# Altium PCB miniBackplane.PcbDoc (part 3 of 24) (continued)
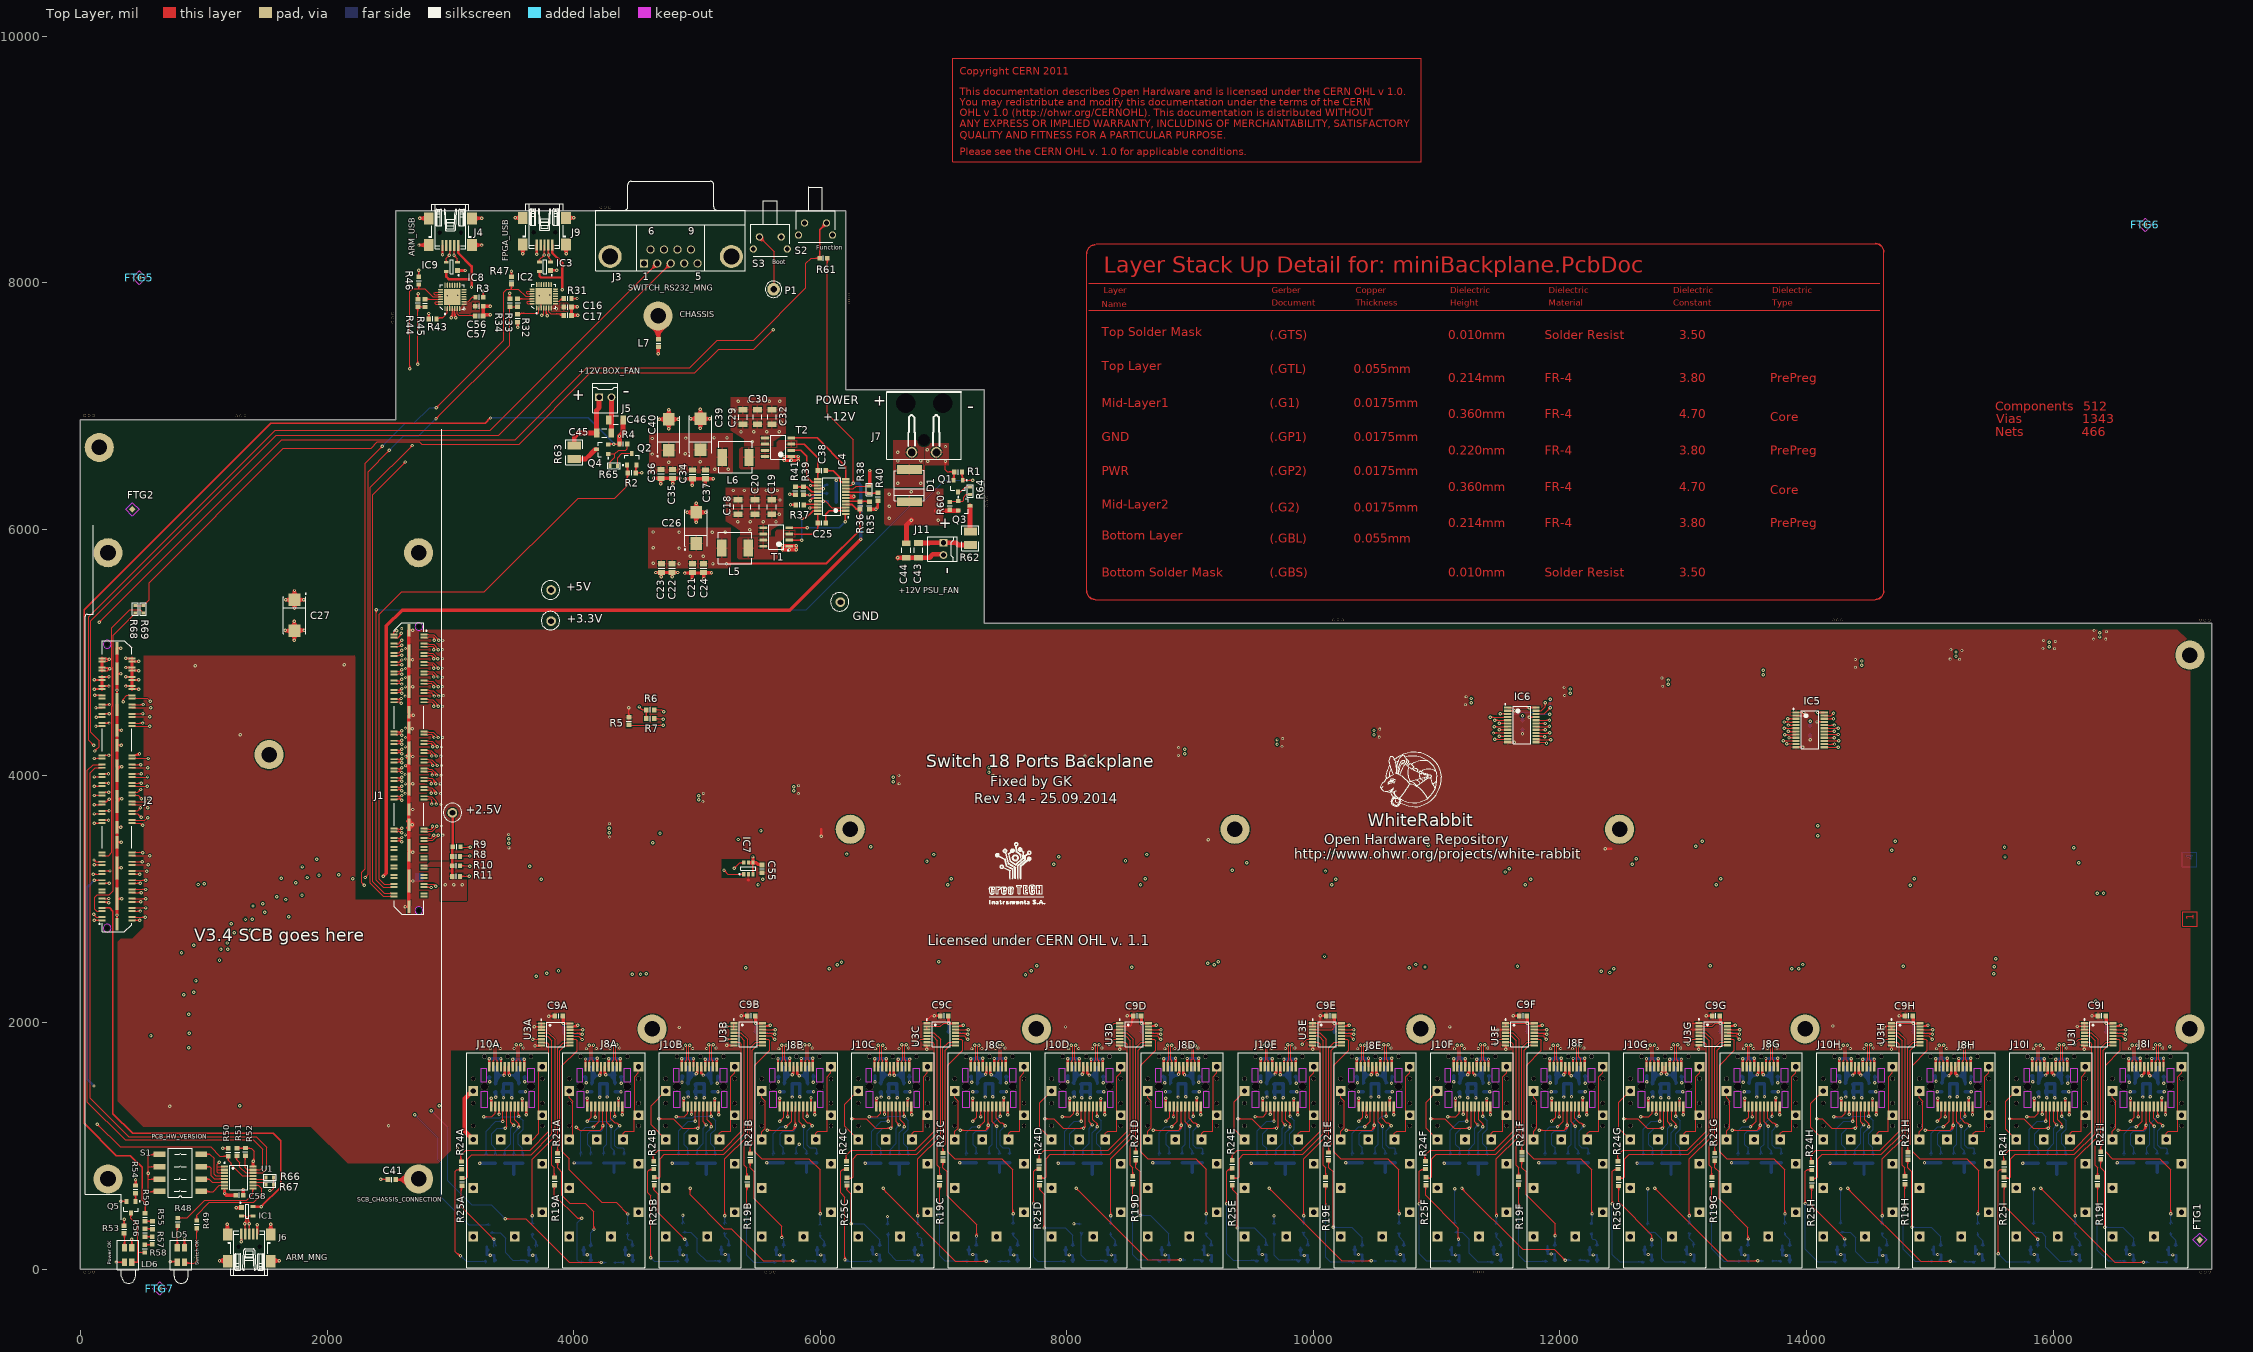
[diagram p0: Top Layer view]
## Nets (pads, with @x,y where several pads share a name; then routed paths per layer and width w, separated by ;. In a path a pad name is that pad's centre, name@x,y a point inside that pad or via, vN(x,y) a via of type N, cw(c..) or ccw(c..) an arc to the next point about the centre after c; other vN are vias at no path point) (continued)
  Bottom Layer w27.56: v1@3239.67,857.87 R29A.2@3290.35,857.87 R30A.2@3365.35,857.87 ; v1(3431.17,1388.46) C12A.1@3431.17,1436.96 ; v1(3498.17,1388.46) C14A.1@3498.17,1436.96 ; v1(4006.17,860.46) R15A.2@4059.67,860.46 R16A.2@4139.67,860.46 ; v1(4211.17,1393.46) C5A.1@4211.17,1436.96 L1A.2@4211.17,1501.96 L2A.2@4273.17,1501.96 C7A.1@4273.17,1436.96 v1(4273.17,1395.46) ; v1@4801.13,859.53 R29B.2@4851.81,859.53 R30B.2@4926.81,859.53 ; v1(4992.62,1390.11) C12B.1@4992.62,1438.61 ; v1(5059.63,1390.11) C14B.1@5059.63,1438.61 ; v1(5567.62,862.12) R15B.2@5621.13,862.12 R16B.2@5701.13,862.12 ; v1(5772.62,1395.11) C5B.1@5772.62,1438.61 L1B.2@5772.62,1503.61 L2B.2@5834.63,1503.61 C7B.1@5834.63,1438.61 v1(5834.63,1397.12) ; v1@6366.13,859.54 R29C.2@6416.81,859.54 R30C.2@6491.81,859.54 ; v1(6557.62,1390.12) C12C.1@6557.62,1438.62 ; v1(6624.63,1390.12) C14C.1@6624.63,1438.62 ; v1(7132.62,862.13) R15C.2@7186.13,862.13 R16C.2@7266.13,862.13 ; v1(7337.62,1395.12) C5C.1@7337.62,1438.62 L1C.2@7337.62,1503.62 L2C.2@7399.63,1503.62 C7C.1@7399.63,1438.62 v1(7399.63,1397.13) ; v1@7931.13,859.54 R29D.2@7981.81,859.54 R30D.2@8056.81,859.54 ; v1(8122.62,1390.12) C12D.1@8122.62,1438.62 ; v1(8189.63,1390.12) C14D.1@8189.63,1438.62 ; v1(8697.62,862.13) R15D.2@8751.13,862.13 R16D.2@8831.13,862.13 ; v1(8902.62,1395.12) C5D.1@8902.62,1438.62 L1D.2@8902.62,1503.62 L2D.2@8964.63,1503.62 C7D.1@8964.63,1438.62 v1(8964.63,1397.13) ; v1@9496.13,859.54 R29E.2@9546.81,859.54 R30E.2@9621.81,859.54 ; v1(9687.62,1390.12) C12E.1@9687.62,1438.62 ; v1(9754.63,1390.12) C14E.1@9754.63,1438.62 ; v1(10262.62,862.13) R15E.2@10316.13,862.13 R16E.2@10396.13,862.13 ; v1(10467.62,1395.12) C5E.1@10467.62,1438.62 L1E.2@10467.62,1503.62 L2E.2@10529.63,1503.62 C7E.1@10529.63,1438.62 v1(10529.63,1397.13) ; v1@11060.69,859.54 R29F.2@11111.38,859.54 R30F.2@11186.38,859.54 ; v1(11252.19,1390.12) C12F.1@11252.19,1438.62 ; v1(11319.2,1390.12) C14F.1@11319.2,1438.62 ; v1(11827.19,862.13) R15F.2@11880.69,862.13 R16F.2@11960.69,862.13 ; v1(12032.19,1395.12) C5F.1@12032.19,1438.62 L1F.2@12032.19,1503.62 L2F.2@12094.2,1503.62 C7F.1@12094.2,1438.62 v1(12094.2,1397.13) ; v1@12625.69,859.54 R29G.2@12676.38,859.54 R30G.2@12751.38,859.54 ; v1(12817.19,1390.12) C12G.1@12817.19,1438.62 ; v1(12884.2,1390.12) C14G.1@12884.2,1438.62 ; v1(13392.19,862.13) R15G.2@13445.69,862.13 R16G.2@13525.69,862.13 ; v1(13597.19,1395.12) C5G.1@13597.19,1438.62 L1G.2@13597.19,1503.62 L2G.2@13659.2,1503.62 C7G.1@13659.2,1438.62 v1(13659.2,1397.13) ; v1@14190.69,859.54 R29H.2@14241.38,859.54 R30H.2@14316.38,859.54 ; v1(14382.19,1390.12) C12H.1@14382.19,1438.62 ; v1(14449.2,1390.12) C14H.1@14449.2,1438.62 ; v1(14957.19,862.13) R15H.2@15010.69,862.13 R16H.2@15090.69,862.13 ; v1(15162.19,1395.12) C5H.1@15162.19,1438.62 L1H.2@15162.19,1503.62 L2H.2@15224.2,1503.62 C7H.1@15224.2,1438.62 v1(15224.2,1397.13) ; v1@15755.69,859.54 R29I.2@15806.38,859.54 R30I.2@15881.38,859.54 ; v1(15947.19,1390.12) C12I.1@15947.19,1438.62 ; v1(16014.2,1390.12) C14I.1@16014.2,1438.62 ; v1(16522.19,862.13) R15I.2@16575.69,862.13 R16I.2@16655.69,862.13 ; v1(16727.19,1395.12) C5I.1@16727.19,1438.62 L1I.2@16727.19,1503.62 L2I.2@16789.2,1503.62 C7I.1@16789.2,1438.62 v1(16789.2,1397.13) ; C12A.1@3431.17,1436.96 C14A.1@3493.17,1436.96 C14A.1@3498.17,1436.96 ; C12A.1@3431.17,1436.96 3431.17,1501.96 3498.17,1501.96 C14A.1@3498.17,1436.96 ; C12B.1@4992.62,1438.61 C14B.1@5054.63,1438.61 C14B.1@5059.63,1438.61 ; C12B.1@4992.62,1438.61 4992.62,1503.61 L4B.2@5054.63,1503.61 5059.63,1503.61 C14B.1@5059.63,1438.61 ; C12C.1@6557.62,1438.62 C14C.1@6619.63,1438.62 6619.63,1503.62 6557.62,1503.62 C12C.1@6557.62,1438.62 ; C12D.1@8122.62,1438.62 C14D.1@8184.63,1438.62 C14D.1@8189.63,1438.62 ; C12D.1@8122.62,1438.62 8122.62,1503.62 L4D.2@8184.63,1503.62 8189.63,1503.62 C14D.1@8189.63,1438.62 ; C12E.1@9687.62,1438.62 C14E.1@9749.63,1438.62 C14E.1@9754.63,1438.62 ; C12E.1@9687.62,1438.62 9687.62,1503.62 L4E.2@9749.63,1503.62 9754.63,1503.62 C14E.1@9754.63,1438.62 ; C12F.1@11252.19,1438.62 C14F.1@11314.2,1438.62 C14F.1@11319.2,1438.62 ; C12F.1@11252.19,1438.62 11252.19,1503.62 L4F.2@11314.2,1503.62 11319.2,1503.62 C14F.1@11319.2,1438.62 ; C12G.1@12817.19,1438.62 C14G.1@12879.2,1438.62 C14G.1@12884.2,1438.62 ; C12G.1@12817.19,1438.62 12817.19,1503.62 L4G.2@12879.2,1503.62 12884.2,1503.62 C14G.1@12884.2,1438.62 ; C12H.1@14382.19,1438.62 C14H.1@14444.2,1438.62 C14H.1@14449.2,1438.62 ; C12H.1@14382.19,1438.62 14382.19,1503.62 L4H.2@14444.2,1503.62 14449.2,1503.62 C14H.1@14449.2,1438.62 ; C12I.1@15947.19,1438.62 C14I.1@16009.2,1438.62 C14I.1@16014.2,1438.62 ; C12I.1@15947.19,1438.62 15947.19,1503.62 L4I.2@16009.2,1503.62 16014.2,1503.62 C14I.1@16014.2,1438.62 ; C12A.1@3422.69,1432.5 cw(c3402.21,1412.02) 3431.17,1412.02 ccw(c3402.21,1412.02) C12A.1@3422.69,1432.5 ; C12A.1@3422.69,1441.42 ccw(c3402.21,1461.9) 3431.17,1461.9 cw(c3402.21,1461.9) C12A.1@3422.69,1441.42 ; C14A.1@3489.69,1432.5 cw(c3469.22,1412.02) 3498.17,1412.02 ccw(c3469.22,1412.02) C14A.1@3489.69,1432.5 ; C14A.1@3489.69,1441.42 ccw(c3469.22,1461.9) 3498.17,1461.9 cw(c3469.22,1461.9) C14A.1@3489.69,1441.42 ; C12B.1@4984.14,1434.15 cw(c4963.67,1413.68) 4992.62,1413.68 ccw(c4963.67,1413.68) C12B.1@4984.14,1434.15 ; C12B.1@4984.14,1443.08 ccw(c4963.67,1463.55) 4992.62,1463.55 cw(c4963.67,1463.55) C12B.1@4984.14,1443.08 ; L3B.2@4984.84,1498.86 cw(c4966.05,1480.07) 4992.62,1480.07 ccw(c4966.05,1480.07) L3B.2@4984.84,1498.86 ; C14B.1@5051.15,1434.15 cw(c5030.68,1413.68) 5059.63,1413.68 ccw(c5030.68,1413.68) C14B.1@5051.15,1434.15 ; C14B.1@5051.15,1443.08 ccw(c5030.68,1463.55) 5059.63,1463.55 cw(c5030.68,1463.55) C14B.1@5051.15,1443.08 ; L4B.2@5051.85,1498.86 cw(c5033.05,1480.07) 5059.63,1480.07 ccw(c5033.05,1480.07) L4B.2@5051.85,1498.86 ; C12C.1@6549.14,1434.16 cw(c6528.67,1413.69) 6557.62,1413.69 ccw(c6528.67,1413.69) C12C.1@6549.14,1434.16 ; C12C.1@6549.14,1443.09 ccw(c6528.67,1463.56) 6557.62,1463.56 cw(c6528.67,1463.56) C12C.1@6549.14,1443.09 ; L3C.2@6549.84,1498.87 cw(c6531.05,1480.08) 6557.62,1480.08 ccw(c6531.05,1480.08) L3C.2@6549.84,1498.87 ; L4C.2@6613.36,1500.17 cw(c6598.22,1485.03) 6619.63,1485.03 ccw(c6598.22,1485.03) L4C.2@6613.36,1500.17 ; C14C.1@6616.15,1434.16 cw(c6595.68,1413.69) 6624.63,1413.69 ccw(c6595.68,1413.69) C14C.1@6616.15,1434.16 ; C12D.1@8114.14,1434.16 cw(c8093.67,1413.69) 8122.62,1413.69 ccw(c8093.67,1413.69) C12D.1@8114.14,1434.16 ; C12D.1@8114.14,1443.09 ccw(c8093.67,1463.56) 8122.62,1463.56 cw(c8093.67,1463.56) C12D.1@8114.14,1443.09 ; L3D.2@8114.84,1498.87 cw(c8096.05,1480.08) 8122.62,1480.08 ccw(c8096.05,1480.08) L3D.2@8114.84,1498.87 ; C14D.1@8181.15,1434.16 cw(c8160.68,1413.69) 8189.63,1413.69 ccw(c8160.68,1413.69) C14D.1@8181.15,1434.16 ; C14D.1@8181.15,1443.09 ccw(c8160.68,1463.56) 8189.63,1463.56 cw(c8160.68,1463.56) C14D.1@8181.15,1443.09 ; L4D.2@8181.85,1498.87 cw(c8163.05,1480.08) 8189.63,1480.08 ccw(c8163.05,1480.08) L4D.2@8181.85,1498.87 ; C12E.1@9679.14,1434.16 cw(c9658.67,1413.69) 9687.62,1413.69 ccw(c9658.67,1413.69) C12E.1@9679.14,1434.16 ; C12E.1@9679.14,1443.09 ccw(c9658.67,1463.56) 9687.62,1463.56 cw(c9658.67,1463.56) C12E.1@9679.14,1443.09 ; L3E.2@9679.84,1498.87 cw(c9661.05,1480.08) 9687.62,1480.08 ccw(c9661.05,1480.08) L3E.2@9679.84,1498.87 ; C14E.1@9746.15,1434.16 cw(c9725.68,1413.69) 9754.63,1413.69 ccw(c9725.68,1413.69) C14E.1@9746.15,1434.16 ; C14E.1@9746.15,1443.09 ccw(c9725.68,1463.56) 9754.63,1463.56 cw(c9725.68,1463.56) C14E.1@9746.15,1443.09 ; L4E.2@9746.85,1498.87 cw(c9728.05,1480.08) 9754.63,1480.08 ccw(c9728.05,1480.08) L4E.2@9746.85,1498.87 ; C12F.1@11243.71,1434.16 cw(c11223.24,1413.69) 11252.19,1413.69 ccw(c11223.24,1413.69) C12F.1@11243.71,1434.16 ; C12F.1@11243.71,1443.09 ccw(c11223.24,1463.56) 11252.19,1463.56 cw(c11223.24,1463.56) C12F.1@11243.71,1443.09 ; L3F.2@11244.41,1498.87 cw(c11225.61,1480.08) 11252.19,1480.08 ccw(c11225.61,1480.08) L3F.2@11244.41,1498.87 ; C14F.1@11310.72,1434.16 cw(c11290.24,1413.69) 11319.2,1413.69 ccw(c11290.24,1413.69) C14F.1@11310.72,1434.16 ; C14F.1@11310.72,1443.09 ccw(c11290.24,1463.56) 11319.2,1463.56 cw(c11290.24,1463.56) C14F.1@11310.72,1443.09 ; L4F.2@11311.41,1498.87 cw(c11292.62,1480.08) 11319.2,1480.08 ccw(c11292.62,1480.08) L4F.2@11311.41,1498.87 ; C12G.1@12808.71,1434.16 cw(c12788.24,1413.69) 12817.19,1413.69 ccw(c12788.24,1413.69) C12G.1@12808.71,1434.16 ; C12G.1@12808.71,1443.09 ccw(c12788.24,1463.56) 12817.19,1463.56 cw(c12788.24,1463.56) C12G.1@12808.71,1443.09 ; L3G.2@12809.41,1498.87 cw(c12790.61,1480.08) 12817.19,1480.08 ccw(c12790.61,1480.08) L3G.2@12809.41,1498.87 ; C14G.1@12875.72,1434.16 cw(c12855.24,1413.69) 12884.2,1413.69 ccw(c12855.24,1413.69) C14G.1@12875.72,1434.16 ; C14G.1@12875.72,1443.09 ccw(c12855.24,1463.56) 12884.2,1463.56 cw(c12855.24,1463.56) C14G.1@12875.72,1443.09 ; L4G.2@12876.41,1498.87 cw(c12857.62,1480.08) 12884.2,1480.08 ccw(c12857.62,1480.08) L4G.2@12876.41,1498.87 ; C12H.1@14373.71,1434.16 cw(c14353.24,1413.69) 14382.19,1413.69 ccw(c14353.24,1413.69) C12H.1@14373.71,1434.16 ; C12H.1@14373.71,1443.09 ccw(c14353.24,1463.56) 14382.19,1463.56 cw(c14353.24,1463.56) C12H.1@14373.71,1443.09 ; L3H.2@14374.41,1498.87 cw(c14355.61,1480.08) 14382.19,1480.08 ccw(c14355.61,1480.08) L3H.2@14374.41,1498.87 ; C14H.1@14440.72,1434.16 cw(c14420.24,1413.69) 14449.2,1413.69 ccw(c14420.24,1413.69) C14H.1@14440.72,1434.16 ; C14H.1@14440.72,1443.09 ccw(c14420.24,1463.56) 14449.2,1463.56 cw(c14420.24,1463.56) C14H.1@14440.72,1443.09 ; L4H.2@14441.41,1498.87 cw(c14422.62,1480.08) 14449.2,1480.08 ccw(c14422.62,1480.08) L4H.2@14441.41,1498.87 ; C12I.1@15938.71,1434.16 cw(c15918.24,1413.69) 15947.19,1413.69 ccw(c15918.24,1413.69) C12I.1@15938.71,1434.16 ; C12I.1@15938.71,1443.09 ccw(c15918.24,1463.56) 15947.19,1463.56 cw(c15918.24,1463.56) C12I.1@15938.71,1443.09 ; L3I.2@15939.41,1498.87 cw(c15920.61,1480.08) 15947.19,1480.08 ccw(c15920.61,1480.08) L3I.2@15939.41,1498.87 ; C14I.1@16005.72,1434.16 cw(c15985.24,1413.69) 16014.2,1413.69 ccw(c15985.24,1413.69) C14I.1@16005.72,1434.16 ; C14I.1@16005.72,1443.09 ccw(c15985.24,1463.56) 16014.2,1463.56 cw(c15985.24,1463.56) C14I.1@16005.72,1443.09 ; L4I.2@16006.41,1498.87 cw(c15987.62,1480.08) 16014.2,1480.08 ccw(c15987.62,1480.08) L4I.2@16006.41,1498.87
  other v1: 3239.67,856.96 4801.13,858.61 6366.13,858.62 7931.13,858.62 9496.13,858.62 11060.69,858.62 12625.69,858.62 14190.69,858.62 15755.69,858.62 1403,874 4637.52,6484.54 4869.2,6487.87 5144.2,6487.87 5254.2,6487.87 4771.38,6543.59 5027.28,6547.53 4637.52,6610.52 4905.24,6614.46 4637.52,6736.5 4909.17,6740.44 5139.2,6742.87 5244.2,6742.87
+5V: C21.1 C22.1 C23.1 C24.1 C26.1 C27.1 IC4.4 J2.81 J2.82 J2.83 J2.84 J2.85 J2.86 J2.87 J2.88 J2.90 J2.92 J2.94 J2.96 L5.2 pad.@3818,5507.7 R36.2 | length 4346.1
  Top Layer w7.87: v1@110.24,4700.79 v1(113.24,4703.79) ; v1@110.24,4775.59 v1(113.44,4778.79)
  Top Layer w15.75: v1(113.24,4703.79) J2.81@174.94,4703.79 ; v1(113.44,4778.79) J2.85@174.94,4778.79 ; J2.83@174.94,4728.79 v1(231.84,4728.79) ; J2.87@174.94,4803.79 v1(231.64,4803.79) ; v1(366.59,4728.79) J2.84@417.94,4728.79 ; v1(366.78,4803.79) J2.88@417.94,4803.79 ; v1(366.98,4878.79) J2.92@417.94,4878.79 ; v1(367.18,4953.79) J2.96@417.94,4953.79 ; J2.82@417.94,4703.79 v1(471.51,4703.79) ; J2.86@417.94,4778.79 v1(471.7,4778.79) ; J2.90@417.94,4853.79 v1(471.9,4853.79) ; J2.94@417.94,4928.79 v1(472.1,4928.79) ; v1(5240.34,5721.1) 6047.32,5721.1 6324.2,5997.98 R36.2@6324.2,6161.38 6319.94,6165.64 6291.06,6165.64 ; IC4.4@6208,6201.96 6254.74,6201.96 6291.06,6165.64 ; 127.5,4703.79 ccw(c127.5,4689.53) 117.42,4699.62 cw(c127.5,4689.53) 127.5,4703.79 ; 127.5,4703.79 cw(c127.5,4718.05) 117.42,4707.97 ccw(c127.5,4718.05) 127.5,4703.79 ; 127.69,4778.79 ccw(c127.69,4764.53) 117.61,4774.62 cw(c127.69,4764.53) 127.69,4778.79 ; 127.69,4778.79 cw(c127.69,4793.05) 117.61,4782.97 ccw(c127.69,4793.05) 127.69,4778.79 ; 217.38,4803.79 ccw(c217.38,4818.05) 227.47,4807.97 cw(c217.38,4818.05) 217.38,4803.79 ; 217.38,4803.79 cw(c217.38,4789.53) 227.47,4799.62 ccw(c217.38,4789.53) 217.38,4803.79 ; 217.58,4728.79 ccw(c217.58,4743.05) 227.66,4732.97 cw(c217.58,4743.05) 217.58,4728.79 ; 217.58,4728.79 cw(c217.58,4714.53) 227.66,4724.62 ccw(c217.58,4714.53) 217.58,4728.79 ; 380.84,4728.79 ccw(c380.84,4714.53) 370.76,4724.62 cw(c380.84,4714.53) 380.84,4728.79 ; 380.84,4728.79 cw(c380.84,4743.05) 370.76,4732.97 ccw(c380.84,4743.05) 380.84,4728.79 ; 381.04,4803.79 ccw(c381.04,4789.53) 370.96,4799.62 cw(c381.04,4789.53) 381.04,4803.79 ; 381.04,4803.79 cw(c381.04,4818.05) 370.96,4807.97 ccw(c381.04,4818.05) 381.04,4803.79 ; 381.24,4878.79 ccw(c381.24,4864.53) 371.16,4874.62 cw(c381.24,4864.53) 381.24,4878.79 ; 381.24,4878.79 cw(c381.24,4893.05) 371.16,4882.97 ccw(c381.24,4893.05) 381.24,4878.79 ; 381.43,4953.79 ccw(c381.43,4939.53) 371.35,4949.62 cw(c381.43,4939.53) 381.43,4953.79 ; 381.43,4953.79 cw(c381.43,4968.05) 371.35,4957.97 ccw(c381.43,4968.05) 381.43,4953.79 ; 457.25,4703.79 ccw(c457.25,4718.05) 467.33,4707.97 cw(c457.25,4718.05) 457.25,4703.79 ; 457.25,4703.79 cw(c457.25,4689.53) 467.33,4699.62 ccw(c457.25,4689.53) 457.25,4703.79 ; 457.45,4778.79 ccw(c457.45,4793.05) 467.53,4782.97 cw(c457.45,4793.05) 457.45,4778.79 ; 457.45,4778.79 cw(c457.45,4764.53) 467.53,4774.62 ccw(c457.45,4764.53) 457.45,4778.79 ; 457.64,4853.79 ccw(c457.64,4868.05) 467.73,4857.97 cw(c457.64,4868.05) 457.64,4853.79 ; 457.64,4853.79 cw(c457.64,4839.53) 467.73,4849.62 ccw(c457.64,4839.53) 457.64,4853.79 ; 457.84,4928.79 ccw(c457.84,4943.05) 467.92,4932.97 cw(c457.84,4943.05) 457.84,4928.79 ; 457.84,4928.79 cw(c457.84,4914.53) 467.92,4924.62 ccw(c457.84,4914.53) 457.84,4928.79 ; 5254.6,5721.1 ccw(c5254.6,5706.85) 5244.51,5716.93 cw(c5254.6,5706.85) 5254.6,5721.1 ; 5254.6,5721.1 cw(c5254.6,5735.36) 5244.51,5725.28 ccw(c5254.6,5735.36) 5254.6,5721.1 ; 6291.06,6165.64 cw(c6291.06,6134) 6314.83,6154.88 ccw(c6291.06,6134) 6291.06,6165.64 ; 6324.2,6137.62 ccw(c6300.43,6137.62) 6317.24,6154.42 cw(c6300.43,6137.62) 6324.2,6137.62 ; 6324.2,6137.62 cw(c6347.96,6137.62) 6331.16,6154.42 ccw(c6347.96,6137.62) 6324.2,6137.62
  Top Layer w19.68: v1@1732.28,5507.87 v1(1736.22,5503.94) ; v1(1811.02,5429.13) v1@1814.96,5425.2
  Top Layer w27.56: J2.81@174.94,4703.79 J2.83@174.94,4728.79 J2.85@174.94,4778.79 J2.87@174.94,4803.79 ; J2.82@417.94,4703.79 J2.84@417.94,4728.79 J2.86@417.94,4778.79 J2.88@417.94,4803.79 J2.90@417.94,4853.79 J2.92@417.94,4878.79 J2.94@417.94,4928.79 J2.96@417.94,4953.79 ; v1(1665.35,5429.13) ccw(c1665.36,5487.42) 1710.37,5450.39 cw(c1665.36,5487.42) v1(1665.35,5429.13) ; v1(1665.35,5429.13) cw(c1665.36,5370.84) 1710.37,5407.87 ccw(c1665.36,5370.84) v1(1665.35,5429.13) ; v1(1665.35,5429.13) C27.1@1736.22,5429.13 ; v1(1736.22,5358.27) ccw(c1686.03,5358.27) 1716.14,5398.42 cw(c1686.03,5358.27) v1(1736.22,5358.27) ; v1(1736.22,5358.27) cw(c1786.41,5358.27) 1756.3,5398.42 ccw(c1786.41,5358.27) v1(1736.22,5358.27) ; v1(1736.22,5358.27) C27.1@1736.22,5429.13 ; C27.1@1736.22,5429.13 v1(1736.22,5503.94) ; C27.1@1736.22,5429.13 v1(1811.02,5429.13) ; v1(1736.22,5503.94) ccw(c1794.52,5503.94) 1757.48,5458.91 cw(c1794.52,5503.94) v1(1736.22,5503.94) ; v1(1736.22,5503.94) cw(c1677.92,5503.94) 1714.96,5458.91 ccw(c1677.92,5503.94) v1(1736.22,5503.94) ; v1(1811.02,5429.13) ccw(c1811.02,5362.27) 1761.17,5406.83 cw(c1811.02,5362.27) v1(1811.02,5429.13) ; v1(1811.02,5429.13) cw(c1811.02,5496) 1761.17,5451.44 ccw(c1811.02,5496) v1(1811.02,5429.13)
  other v1: 4855.34,5721.1 5130.34,5721.1 4645.39,5723.18 4945.34,5781.1 5050.34,5781.1 4855.34,5846.1 4645.39,5850.68 4855.34,5976.1 5125.34,5976.1 5230.34,5976.1 4645.39,5978.18
+12VCC_IN: C18.1 C19.1 C20.1 C28.2 C29.1 C30.1 C32.1 C44.1 C46.1 D1.1 IC4.3 IC4.20 Q3.3 Q4.3 R4.1 R54.1 R60.1 T1.5 T1.6 T2.5 T2.6 | length 11413.7
  Top Layer w7.87: v1(6024.2,6227.55) 6044.52,6227.55 ; IC4.3@6208,6176.37 6095.7,6176.37 6044.52,6227.55 ; 6044.52,6227.55 ccw(c6044.52,6211.49) 6031.92,6221.45 cw(c6044.52,6211.49) 6044.52,6227.55 ; 6044.52,6227.55 cw(c6044.52,6243.61) 6031.92,6233.65 ccw(c6044.52,6243.61) 6044.52,6227.55 ; 6175.45,6176.37 ccw(c6175.45,6188.25) 6183.85,6179.85 cw(c6175.45,6188.25) 6175.45,6176.37 ; 6175.45,6176.37 cw(c6175.45,6164.49) 6183.85,6172.89 ccw(c6175.45,6164.49) 6175.45,6176.37
  Top Layer w11.81: R54.1@524,451.5 524,540 500,564 500,826 405,921 292,921 29,1184 29,5348 1543,6862 3284,6862 3326,6904 v1(3326,6903)
  Top Layer w13.78: Q4.3@4281.26,6692 4325,6692 v1(4327,6690) R4.1@4378.5,6690
  Top Layer w15.75: IC4.20@5979.65,6227.55 v1(6024.2,6227.55) ; 6009.94,6227.55 ccw(c6009.94,6241.81) 6020.02,6231.73 cw(c6009.94,6241.81) 6009.94,6227.55 ; 6009.94,6227.55 cw(c6009.94,6213.29) 6020.02,6223.38 ccw(c6009.94,6213.29) 6009.94,6227.55
  Top Layer w39.37: R4.1@4372.5,6692 v1(4372.5,6755.5) 4402.06,6785.06 C46.1@4402.06,6886 ; C44.1@6699,5888.06 6699,6034.2 v1(6739.88,6075.09) ; 6941,6150.99 Q3.3@7120.17,6150.99
  Bottom Layer w11.81: v1(3326,6903) 4120.61,6903 v1@4327.2,6696.42
  Bottom Layer w19.68: v1(6024.2,6227.55) C28.2@6060.72,6227.55 ; v1@6026.17,6224.14 cw(c6034.52,6209.67) 6038.85,6225.81 ; v1@6026.17,6224.14 cw(c6034.52,6209.67) 6038.85,6225.81 ; v1@6026.17,6224.14 cw(c6034.52,6209.67) 6038.85,6225.81 ; v1@6032.35,6227.55 cw(c6032.35,6186.94) 6061.07,6215.66 ccw(c6032.35,6186.94) v1@6032.35,6227.55
  other v1: 5428.86,5996.35 5330.43,6062.87 5434.17,6062.87 5537.9,6062.87 5641.64,6062.87 6959.2,6074.69 6558.76,6089.69 5263.5,6122.33 5669.2,6122.33 6959.2,6184.69 6558.76,6187.19 6558.76,6284.69 6959.2,6294.69 6739.88,6303.43 5448.54,6708.94 5357.99,6792.87 5461.67,6792.87 5565.34,6792.87 5669.02,6792.87 5306.81,6866.43 5684.2,6867.87
ARM_2V5_GPIO_PD10: J2.41 J8A.6 R13A.1 | length 8582.8
  Top Layer w7.87: v1@103.79,3766.29 J2.41@174.94,3766.29 ; J8A.6@4269.68,1318.39 4269.68,1191.94 v1(4304.67,1156.96) ; 4289.19,1170.95 cw(c4284.33,1152.79) v1@4302.74,1156.57 ; 4290.68,1172.44 ccw(c4308.83,1177.3) v1@4305.06,1158.89 ; 134.44,3766.29 ccw(c134.44,3742.53) 117.64,3759.33 cw(c134.44,3742.53) 134.44,3766.29 ; 134.44,3766.29 cw(c134.44,3790.05) 117.64,3773.25 ccw(c134.44,3790.05) 134.44,3766.29 ; 144.77,3766.29 ccw(c144.77,3775.8) 151.49,3769.08 cw(c144.77,3775.8) 144.77,3766.29 ; 144.77,3766.29 cw(c144.77,3756.79) 151.49,3763.51 ccw(c144.77,3756.79) 144.77,3766.29 ; 4269.68,1274.6 ccw(c4255.43,1274.6) 4265.51,1284.68 cw(c4255.43,1274.6) 4269.68,1274.6 ; 4269.68,1274.6 cw(c4283.94,1274.6) 4273.86,1284.68 ccw(c4283.94,1274.6) 4269.68,1274.6 ; 4287.87,1173.76 ccw(c4304.67,1190.57) 4304.67,1166.8 cw(c4304.67,1190.57) 4287.87,1173.76 ; 4287.87,1173.76 cw(c4271.06,1156.96) 4294.83,1156.96 ccw(c4271.06,1156.96) 4287.87,1173.76
  Mid-Layer 1 w7.09: v1@104.33,3767.72 104.42,3767.8 575.2,3767.8 1093,3250 1093,2588.1 1757.87,1923.23 2800.2,1923.23 3325.79,2448.82 4451.77,2448.82 4476.76,2423.83 v1(4476.76,2392.05) ; 4476.76,2416.76 ccw(c4501.47,2416.76) 4483.99,2399.29 cw(c4501.47,2416.76) 4476.76,2416.76 ; 4476.76,2416.76 cw(c4452.04,2416.76) 4469.52,2399.29 ccw(c4452.04,2416.76) 4476.76,2416.76 ; v1@117.92,3759.05 cw(c139.04,3737.93) 139.04,3767.8 ccw(c139.04,3737.93) v1@117.92,3759.05 ; v1@117.92,3773.53 ccw(c131.74,3787.35) 131.74,3767.8 cw(c131.74,3787.35) v1@117.92,3773.53
  Mid-Layer 2 w7.09: v1@4301.12,1158.67 cw(c4320.13,1149.48) 4314.67,1169.88 ; v1(4304.67,1156.96) 4313.79,1156.96 4360.72,1203.9 4410.72,1203.9 4459.65,1252.82 4459.65,1413.43 4586.61,1540.39 ; v1@4307.5,1155.59 cw(c4338.54,1140.58) 4329.62,1173.88 ; v1@4309.79,1165.83 ccw(c4316.95,1178.23) 4320.66,1164.39 ; v1@4474.4,2389.69 4474.4,2110.94 4448.82,2085.35 4448.82,1819.31 4587.02,1681.1 4587.02,1540.39 ; v1@4304.67,1160.11 ccw(c4304.67,1189.73) 4325.61,1168.78 cw(c4304.67,1189.73) v1@4304.67,1160.11 ; v1@4304.67,1167.2 ccw(c4304.67,1213.92) 4337.71,1180.88 cw(c4304.67,1213.92) v1@4304.67,1167.2 ; v1@4469.52,2384.81 cw(c4457.73,2373.02) 4474.4,2373.02 ccw(c4457.73,2373.02) v1@4469.52,2384.81 ; 4474.4,2361.65 cw(c4507.15,2361.65) 4483.99,2384.81 ccw(c4507.15,2361.65) 4474.4,2361.65
  Bottom Layer w7.87: v1(4304.67,1156.96) 4304.67,981.96 4327.85,958.78 R13A.1@4327.85,923.46 ; 4304.67,1133.2 ccw(c4280.91,1133.2) 4297.71,1150 cw(c4280.91,1133.2) 4304.67,1133.2 ; 4304.67,1133.2 cw(c4328.43,1133.2) 4311.63,1150 ccw(c4328.43,1133.2) 4304.67,1133.2 ; 4327.85,956.72 ccw(c4361.12,956.72) 4337.6,933.2 cw(c4361.12,956.72) 4327.85,956.72 ; 4327.85,956.72 cw(c4294.59,956.72) 4318.11,933.2 ccw(c4294.59,956.72) 4327.85,956.72
  other v1: 110.68,3766.29
ARM_2V5_GPIO_PD11: J2.19 J10A.6 R27A.1 | length 6378.1
  Top Layer w7.87: v1(112,3153.79) J2.19@174.94,3153.79 ; J10A.6@3489.68,1318.39 3489.68,1191.94 v1(3514.67,1166.96) ; 3499.19,1180.95 cw(c3494.33,1162.79) v1@3512.74,1166.57 ; 3500.68,1182.44 ccw(c3518.83,1187.3) v1@3515.06,1168.89 ; 135.76,3153.79 ccw(c135.76,3130.03) 118.96,3146.83 cw(c135.76,3130.03) 135.76,3153.79 ; 135.76,3153.79 cw(c135.76,3177.55) 118.96,3160.75 ccw(c135.76,3177.55) 135.76,3153.79 ; 144.77,3153.79 ccw(c144.77,3163.3) 151.49,3156.58 cw(c144.77,3163.3) 144.77,3153.79 ; 144.77,3153.79 cw(c144.77,3144.29) 151.49,3151.01 ccw(c144.77,3144.29) 144.77,3153.79 ; 3489.68,1274.6 ccw(c3475.43,1274.6) 3485.51,1284.68 cw(c3475.43,1274.6) 3489.68,1274.6 ; 3489.68,1274.6 cw(c3503.94,1274.6) 3493.86,1284.68 ccw(c3503.94,1274.6) 3489.68,1274.6 ; 3497.87,1183.76 ccw(c3514.67,1200.57) 3514.67,1176.8 cw(c3514.67,1200.57) 3497.87,1183.76 ; 3497.87,1183.76 cw(c3481.06,1166.96) 3504.83,1166.96 ccw(c3481.06,1166.96) 3497.87,1183.76
  Mid-Layer 1 w7.09: v1(110,1484.88) 890,1484.88 1118.88,1256 2607,1256 2667,1196 3140,1196 3147,1203 3361,1203 3383,1225 3456.63,1225 v1(3514.67,1166.96) ; 134.71,1484.88 ccw(c134.71,1460.17) 117.24,1477.64 cw(c134.71,1460.17) 134.71,1484.88 ; 134.71,1484.88 cw(c134.71,1509.59) 117.24,1492.12 ccw(c134.71,1509.59) 134.71,1484.88 ; 3497.19,1184.43 ccw(c3514.67,1201.91) 3514.67,1177.2 cw(c3514.67,1201.91) 3497.19,1184.43 ; 3497.19,1184.43 cw(c3479.72,1166.96) 3504.43,1166.96 ccw(c3479.72,1166.96) 3497.19,1184.43
  Bottom Layer w7.87: R27A.1@3440.35,920.87 3440.35,967.65 3489.67,1016.96 3489.67,1141.96 v1(3514.67,1166.96) ; 3440.35,954.13 ccw(c3473.62,954.13) 3450.1,930.61 cw(c3473.62,954.13) 3440.35,954.13 ; 3440.35,954.13 cw(c3407.09,954.13) 3430.61,930.61 ccw(c3407.09,954.13) 3440.35,954.13 ; 3497.87,1150.16 ccw(c3481.06,1166.96) 3504.83,1166.96 cw(c3481.06,1166.96) 3497.87,1150.16 ; 3497.87,1150.16 cw(c3514.67,1133.36) 3514.67,1157.12 ccw(c3514.67,1133.36) 3497.87,1150.16
  Bottom Layer w19.68: v1(110,1484.88) 54,1540.88 54,3095.79 v1(112,3153.79)
ARM_2V5_GPIO_PD12: IC5.3 IC6.3 J2.75 R5.1 | length 15413.2
  Top Layer w7.87: J2.75@174.94,4578.79 v1(236.17,4578.79) ; R5.1@4448.82,4413.39 4452.76,4409.45 v1(4728.35,4409.45) ; v1(11515.46,4502.48) IC6.3@11577.4,4502.48 IC6.3@11582.68,4502.48 ; v1(13849.1,4463.8) 13849.1,4463.42 13849.41,4463.11 IC5.3@13914.92,4463.11 ; 205.12,4578.79 ccw(c205.12,4569.29) 198.39,4576.01 cw(c205.12,4569.29) 205.12,4578.79 ; 205.12,4578.79 cw(c205.12,4588.3) 198.39,4581.58 ccw(c205.12,4588.3) 205.12,4578.79 ; 212.41,4578.79 ccw(c212.41,4602.55) 229.21,4585.75 cw(c212.41,4602.55) 212.41,4578.79 ; 212.41,4578.79 cw(c212.41,4555.03) 229.21,4571.83 ccw(c212.41,4555.03) 212.41,4578.79 ; 4704.58,4409.45 ccw(c4704.58,4433.21) 4721.39,4416.41 cw(c4704.58,4433.21) 4704.58,4409.45 ; 4704.58,4409.45 cw(c4704.58,4385.69) 4721.39,4402.49 ccw(c4704.58,4385.69) 4704.58,4409.45 ; 11539.23,4502.48 ccw(c11539.23,4478.72) 11522.42,4495.52 cw(c11539.23,4478.72) 11539.23,4502.48 ; 11539.23,4502.48 cw(c11539.23,4526.24) 11522.42,4509.44 ccw(c11539.23,4526.24) 11539.23,4502.48 ; 11544.85,4502.48 ccw(c11544.85,4514.36) 11553.25,4505.96 cw(c11544.85,4514.36) 11544.85,4502.48 ; 11544.85,4502.48 cw(c11544.85,4490.6) 11553.25,4499 ccw(c11544.85,4490.6) 11544.85,4502.48 ; 13882.37,4463.11 ccw(c13882.37,4474.99) 13890.77,4466.59 cw(c13882.37,4474.99) 13882.37,4463.11 ; 13882.37,4463.11 cw(c13882.37,4451.23) 13890.77,4459.63 ccw(c13882.37,4451.23) 13882.37,4463.11 ; v1@13856.06,4456.84 cw(c13871.2,4441.71) 13871.2,4463.11 ccw(c13871.2,4441.71) v1@13856.06,4456.84 ; v1@13856.06,4470.76 ccw(c13874.53,4489.23) 13874.53,4463.11 cw(c13874.53,4489.23) v1@13856.06,4470.76
  Mid-Layer 1 w7.09: v1(4728.35,4409.45) 4754.92,4436.02 11265.75,4436.02 11332.2,4502.48 v1(11515.46,4502.48) ; v1(11917.32,4500) 13681.1,4500 13717.99,4463.11 13849.41,4463.11 13849.1,4463.42 v1(13849.1,4463.8) ; 4745.82,4426.92 ccw(c4763.3,4409.45) 4738.58,4409.45 cw(c4763.3,4409.45) 4745.82,4426.92 ; 4745.82,4426.92 cw(c4728.35,4444.4) 4728.35,4419.69 ccw(c4728.35,4444.4) 4745.82,4426.92 ; 11490.75,4502.48 ccw(c11490.75,4527.19) 11508.23,4509.72 cw(c11490.75,4527.19) 11490.75,4502.48 ; 11490.75,4502.48 cw(c11490.75,4477.77) 11508.23,4495.24 ccw(c11490.75,4477.77) 11490.75,4502.48 ; 11942.04,4500 ccw(c11942.04,4475.29) 11924.56,4492.76 cw(c11942.04,4475.29) 11942.04,4500 ; 11942.04,4500 cw(c11942.04,4524.71) 11924.56,4507.24 ccw(c11942.04,4524.71) 11942.04,4500 ; 13822.72,4463.11 ccw(c13822.72,4490.18) 13841.86,4471.04 cw(c13822.72,4490.18) 13822.72,4463.11 ; 13826.06,4463.11 cw(c13826.06,4440.75) 13841.86,4456.56 ccw(c13826.06,4440.75) 13826.06,4463.11
  Mid-Layer 2 w7.09: v1(236.17,4578.79) 236.17,4607.17 263,4634 358,4634 402,4678 504,4678 525,4699 2068.72,4699 2338.58,4429.13 4696.85,4429.13 ; 4715.02,4420.7 cw(c4712.64,4396.56) v1@4731.39,4411.95 ; v1(4728.35,4409.45) 4716.54,4409.45 4696.85,4429.13 ; 236.17,4603.5 ccw(c260.88,4603.5) 243.41,4586.03 cw(c260.88,4603.5) 236.17,4603.5 ; 236.17,4603.5 cw(c211.46,4603.5) 228.93,4586.03 ccw(c211.46,4603.5) 236.17,4603.5 ; 4696.85,4429.13 ccw(c4721.1,4453.38) 4726.68,4419.55 cw(c4721.1,4453.38) 4696.85,4429.13 ; 4706.61,4419.38 ccw(c4723.86,4436.63) 4727.83,4412.56 cw(c4723.86,4436.63) 4706.61,4419.38
  Bottom Layer w7.87: v1(11515.46,4502.48) 11671.77,4502.48 11685.04,4515.75 11779.53,4515.75 11795.28,4500 v1(11917.32,4500) ; 11539.23,4502.48 ccw(c11539.23,4478.72) 11522.42,4495.52 cw(c11539.23,4478.72) 11539.23,4502.48 ; 11539.23,4502.48 cw(c11539.23,4526.24) 11522.42,4509.44 ccw(c11539.23,4526.24) 11539.23,4502.48 ; 11893.56,4500 ccw(c11893.56,4523.76) 11910.36,4506.96 cw(c11893.56,4523.76) 11893.56,4500 ; 11893.56,4500 cw(c11893.56,4476.24) 11910.36,4493.04 ccw(c11893.56,4476.24) 11893.56,4500
ARM_2V5_GPIO_PD13: J2.27 R50.1 U1.13 | length 4327.4
  Top Layer w7.87: v1@110,3320 v1(110,3318) 124.21,3303.79 ; v1@135.61,1173.07 cw(c131.83,1154.66) 149.99,1159.52 ; v1(136,1175) 321,990 1057,990 1131.5,915.5 R50.1@1199,915.5 1199,884 ; v1@137.93,1175.39 ccw(c156.34,1179.17) 151.48,1161.01 ; J2.27@174.94,3303.79 124.21,3303.79 ; U1.13@1401.14,754.8 1312.2,754.8 1223,844 1223,860 1199,884 ; 124.21,3303.79 ccw(c113.19,3292.77) 111.23,3308.24 cw(c113.19,3292.77) 124.21,3303.79 ; 124.21,3303.79 cw(c135.23,3314.81) 119.76,3316.77 ccw(c135.23,3314.81) 124.21,3303.79 ; 144.77,3303.79 ccw(c144.77,3313.3) 151.49,3306.58 cw(c144.77,3313.3) 144.77,3303.79 ; 144.77,3303.79 cw(c144.77,3294.29) 151.49,3301.01 ccw(c144.77,3294.29) 144.77,3303.79 ; 152.8,1158.2 ccw(c136,1141.4) 136,1165.16 cw(c136,1141.4) 152.8,1158.2 ; 152.8,1158.2 cw(c169.6,1175) 145.84,1175 ccw(c169.6,1175) 152.8,1158.2 ; 1163.76,915.5 ccw(c1163.76,948.77) 1187.29,925.25 cw(c1163.76,948.77) 1163.76,915.5 ; 1163.76,915.5 cw(c1163.76,882.24) 1187.29,905.76 ccw(c1163.76,882.24) 1163.76,915.5 ; 1199,884 ccw(c1169.88,884) 1189.65,905.39 cw(c1169.88,884) 1199,884 ; 1199,884 cw(c1228.12,884) 1208.35,905.39 ccw(c1228.12,884) 1199,884 ; 1369.58,754.8 ccw(c1369.58,766.68) 1377.98,758.28 cw(c1369.58,766.68) 1369.58,754.8 ; 1369.58,754.8 cw(c1369.58,742.91) 1377.98,751.32 ccw(c1369.58,742.91) 1369.58,754.8
  Mid-Layer 2 w7.09: v1@106.2,3316.96 ccw(c121.58,3321.17) 117.46,3305.77 ; v1@113.5,3316.5 165,3265 165,1204 v1(136,1175) ; 153.47,1192.47 ccw(c170.95,1175) 146.24,1175 cw(c170.95,1175) 153.47,1192.47 ; 153.47,1192.47 cw(c136,1209.95) 136,1185.24 ccw(c136,1209.95) 153.47,1192.47 ; v1@110,3307.76 cw(c110,3278.22) 130.89,3299.11 ccw(c110,3278.22) v1@110,3307.76 ; v1@120.24,3318 ccw(c140.12,3318) 126.06,3303.94 cw(c140.12,3318) v1@120.24,3318